# Altium PCB Pace Maker Panel RevA.PcbDoc (part 2 of 2)
Units mm, origin at the board's own origin, x right, y up, seen from the top; angles counter-clockwise.
Board outline 150.47 x 78.27 mm, 2 copper layers (Top Copper, Bottom Copper), stack 1.57 mm thick; 193 components, 124 nets, 564 pads, 154 vias.
Unrouted connection lines stored in the file: 2.
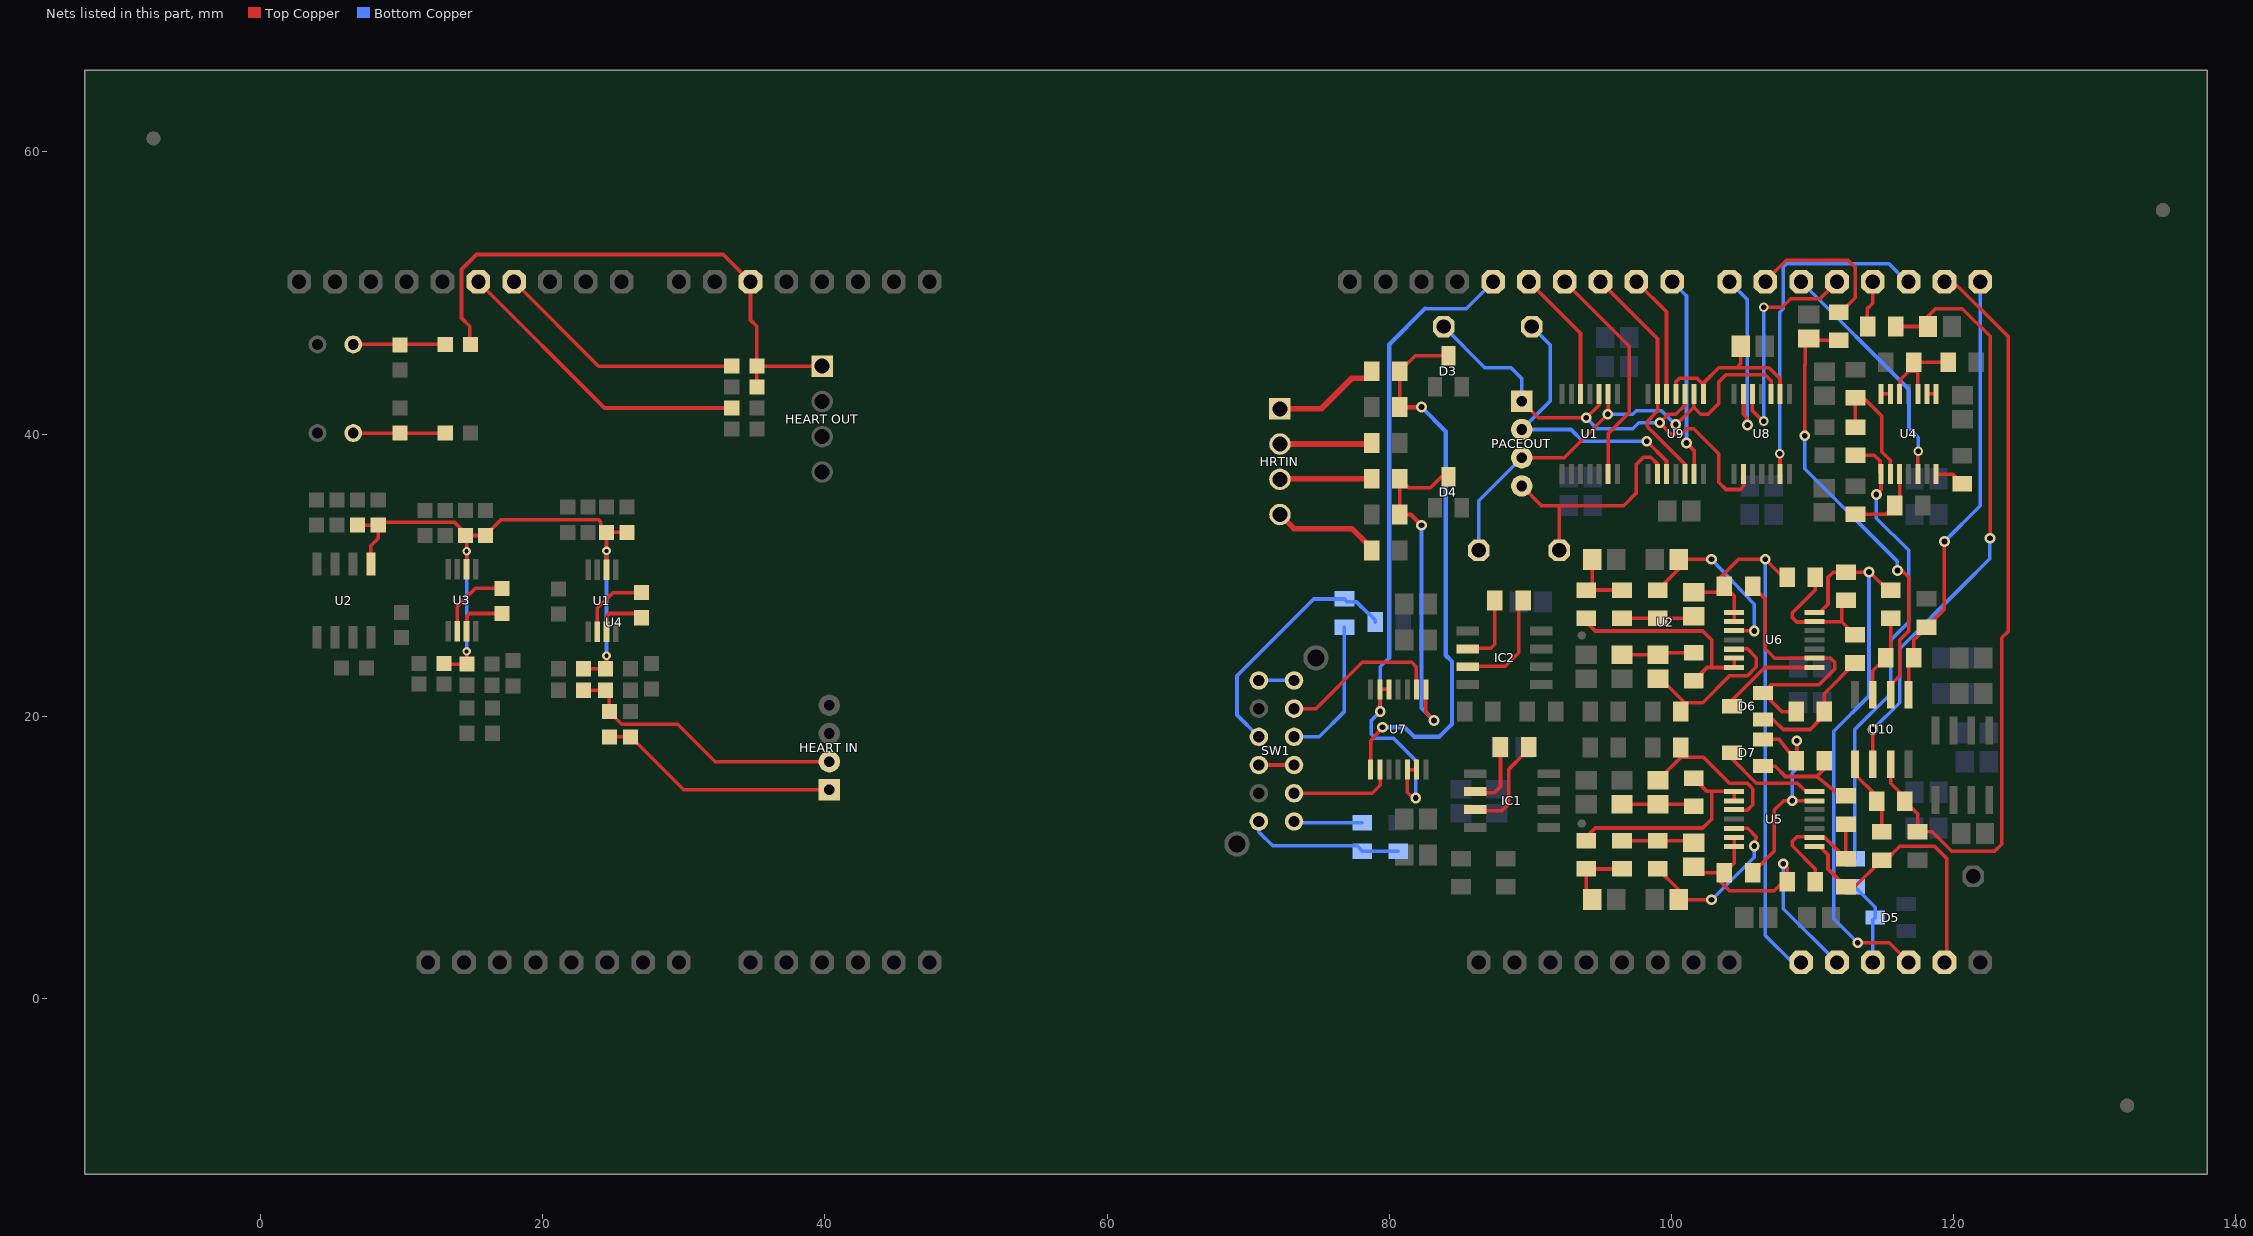
[diagram p2: the nets of this part, all layers, seen from the top]

## Via types
v1: diameter 0.762/0.762 (per signal layer), hole 0.406, Top Copper to Bottom Copper, 126 vias
v2: diameter 0.61, hole 0.305, Top Copper to Bottom Copper, 10 vias
v3: diameter 0.635, hole 0.381, Top Copper to Bottom Copper, 9 vias
v4: diameter 0.686, hole 0.33, Top Copper to Bottom Copper, 5 vias
v5: diameter 0.686, hole 0.381, Top Copper to Bottom Copper, 4 vias

## Nets (pads, with @x,y where several pads share a name; then routed paths per layer and width w, separated by ;. In a path a pad name is that pad's centre, name@x,y a point inside that pad or via, vN(x,y) a via of type N, cw(c..) or ccw(c..) an arc to the next point about the centre after c; other vN are vias at no path point) (continued)
NetC22_1: C22.1 U8.2 U9.8 U9.11 | length 13.4
  Top Copper w0.254: U9.11@100.33,42.85 100.33,43.688 100.584,43.942 101.854,43.942 102.286,43.51 U9.8@102.286,42.85 102.362,42.926 102.362,43.688 103.378,44.704 104.648,44.704 ; C22.1@104.941,46.228 104.941,44.997 104.648,44.704 ; U8.2@107.721,42.85 107.721,43.917 106.934,44.704 104.648,44.704
NetC23_2: C23.2 C25.1 R27.1 | length 5.1
  Top Copper w0.254: C23.2@96.52,13.755 C25.1@99.06,13.755 101.45,13.755 R27.1@101.6,13.605
NetC24_2: C24.2 C26.1 R28.1 | length 5.1
  Top Copper w0.254: C24.2@96.52,24.345 C26.1@99.06,24.345 99.21,24.495 R28.1@101.6,24.495
NetC25_2: C25.2 R25.2 U5.3 | length 11.7
  Top Copper w0.254: C25.2@99.06,15.455 R25.2@100.695,17.09 ; R25.2@100.695,17.78 R25.2@100.695,17.09 ; U5.3@104.47,13.36 104.496,13.335 105.41,13.335 105.791,13.716 105.791,14.859 105.41,15.24 104.14,15.24 102.29,17.09 R25.2@100.695,17.09
NetC26_2: C26.2 R26.2 U6.12 | length 12
  Top Copper w0.254: C26.2@99.06,22.645 99.275,22.645 R26.2@100.965,20.955 ; R26.2@100.695,20.32 100.965,20.59 R26.2@100.965,20.955 ; U6.12@104.47,24.74 104.496,24.765 105.41,24.765 106.045,24.13 106.045,23.495 105.41,22.86 104.14,22.86 102.235,20.955 R26.2@100.965,20.955
NetC29_1: C29.1 R29.2 R31.1 | length 4.9
  Top Copper w0.254: C29.1@94.4,6.985 93.98,7.405 R29.2@93.98,9.16 R31.1@96.52,9.16
NetC30_1: C30.1 R30.2 R32.1 | length 4.9
  Top Copper w0.254: C30.1@94.4,31.115 94.4,29.36 R30.2@93.98,28.94 R32.1@96.52,28.94
NetC31_1: C31.1 R33.2 U5.5 | length 12.7
  Top Copper w0.254: R33.2@99.06,9.16 100.545,7.675 C31.1@100.545,6.985 v1(102.87,6.985) ; U5.5@104.47,12.04 105.435,12.04 106.045,11.43 v1(105.886,10.795)
  Bottom Copper w0.254: v1(102.87,6.985) 105.886,10.001 v1(105.886,10.795)
NetC32_1: C32.1 R34.2 U6.10 | length 13.1
  Top Copper w0.254: R34.2@99.06,28.94 100.545,30.425 C32.1@100.545,31.115 v1(102.87,31.115) ; U6.10@104.47,26.06 106.02,26.06 v1(105.886,26.035)
  Bottom Copper w0.254: v1(102.87,31.115) 105.886,27.94 v1(105.886,26.035)
NetC34_1: C34.1 R31.2 R33.1 | length 5.1
  Top Copper w0.254: R31.2@96.52,11.16 R33.1@99.06,11.16 101.45,11.16 C34.1@101.6,11.01
NetC34_2: C34.2 R36.1 R40.1 U2.A1 U5.6 U5.7 | length 21.5
  Top Copper w0.254: C34.2@101.6,9.31 102.02,8.89 R36.1@103.775,8.89 ; U5.6@104.47,11.405 U5.7@104.47,10.744 104.47,9.585 R36.1@103.775,8.89 ; v1(107.95,9.525) 108.22,9.255 R40.1@108.22,8.255 108.22,8.525 107.315,7.62 104.14,7.62 103.505,8.255 103.505,8.62 R36.1@103.775,8.89
  Bottom Copper w0.254: v1(107.95,9.525) 107.95,6.35 U2.A1@111.76,2.54
NetC35_1: C35.1 R32.2 R34.1 | length 5.1
  Top Copper w0.254: R32.2@96.52,26.94 R34.1@99.06,26.94 101.45,26.94 C35.1@101.6,27.09
NetC35_2: C35.2 R35.1 R39.1 U2.A0 U6.8 U6.9 | length 41.7
  Top Copper w0.254: C35.2@101.6,28.79 103.355,28.79 R35.1@103.775,29.21 ; U6.9@104.47,26.695 U6.8@104.47,27.356 104.47,28.515 R35.1@103.775,29.21 ; R39.1@108.22,29.845 107.95,29.845 v1(106.68,31.115) 104.775,31.115 103.505,29.845 103.505,29.48 R35.1@103.775,29.21
  Bottom Copper w0.254: v1(106.68,31.115) 106.68,4.445 108.585,2.54 U2.A0@109.22,2.54
NetC37_1: C37.1 R41.1 U10.6 | length 42.2
  Top Copper w0.254: U10.6@114.3,16.586 v1(114.3,19.05) ; R41.1@115.935,47.625 C37.1@118.213,47.625 118.213,48.363 118.745,48.895 120.65,48.895 122.618,46.926 122.618,32.619 v1(122.604,32.604)
  Bottom Copper w0.254: v1(114.3,19.05) 116.205,20.955 116.205,24.765 120.666,29.226 122.604,31.164 v1(122.604,32.604)
NetC38_1: C38.1 R42.1 U10.2 | length 31.3
  Top Copper w0.254: v1(109.474,39.878) 109.474,44.895 109.498,44.919 109.498,46.52 C38.1@109.753,46.775 109.891,46.638 R42.1@111.887,46.638 ; U10.2@115.57,21.514 115.57,22.225 116.205,22.86 116.205,25.4 116.84,26.035 116.84,29.845 116.364,30.321 v1(116.046,30.321)
  Bottom Copper w0.254: v1(109.474,39.878) 109.474,37.529 116.046,30.956 v1(116.046,30.321)
NetD3_3: D3.3 R1.2@80.756,44.45 R5.2@80.756,41.91 U7.8 | length 40.5
  Top Copper w0.254: U7.8@78.689,16.205 78.689,18.205 v1(79.534,19.209) ; R5.2@80.756,41.91 R1.2@80.756,44.45 81.856,45.55 D3.3@84.201,45.55 D3.3@84.371,45.72
  Top Copper w0.305: R5.2@80.756,41.91 v1(82.296,41.91)
  Bottom Copper w0.305: v1(79.534,19.209) 81.097,19.209 81.764,18.542 83.566,18.542 84.455,19.431 84.455,23.876 84.023,24.308 84.023,40.183 v1(82.296,41.91)
NetD4_3: D4.3 R3.2@80.756,36.83 R6.2@80.756,34.29 U7.1 | length 25.1
  Top Copper w0.254: R6.2@80.756,34.29 R3.2@80.756,36.83 81.391,36.195 82.931,36.195 83.714,36.978 D4.3@84.201,36.978 ; U7.1@82.601,21.895 82.601,20.269 v1(83.185,19.685)
  Top Copper w0.305: R6.2@80.756,34.29 81.534,34.29 v1(82.296,33.528)
  Bottom Copper w0.305: v1(82.296,33.528) 82.296,20.574 v1(83.185,19.685)
NetD5_3: D5.3 R55.1 U2.A2 | length 6
  Bottom Copper w0.254: R55.1@113.03,7.89 114.47,6.45 D5.3@114.47,5.715 114.3,5.545 U2.A2@114.3,2.54
NetD6_1: D6.1 R37.2 R43.1 | length 9.7
  Top Copper w0.254: D6.1@106.51,19.751 107.249,19.751 107.95,19.05 109.855,19.05 110.49,19.685 110.49,19.955 R37.2@110.855,20.32 110.855,21.59 R43.1@113.03,23.765
NetD6_2: D6.2 R35.2 R37.1 U6.2 | length 19.3
  Top Copper w0.254: R35.2@105.775,29.21 106.68,28.305 106.68,24.765 107.34,24.105 U6.2@110.16,24.105 111.309,24.105 111.601,23.812 111.601,23.336 110.49,22.225 107.084,22.225 D6.2@106.51,21.651 107.841,20.32 R37.1@108.855,20.32
NetD6_3: D6.3 U6.1 | length 7.4
  Top Copper w0.254: D6.3@104.31,20.701 104.14,20.871 104.14,20.955 106.629,23.444 U6.1@110.16,23.444
NetD7_1: D7.1 R38.2 R44.1 | length 8.4
  Top Copper w0.254: D7.1@106.51,16.449 107.376,16.449 108.109,15.716 110.331,15.716 ; R38.2@110.855,16.828 111.125,16.875 111.125,16.51 110.331,15.716 ; R44.1@112.395,14.335 112.03,14.335 110.331,15.716
NetD7_2: D7.2 R36.2 R38.1 U5.13 | length 17.1
  Top Copper w0.254: R36.2@105.775,8.89 107.315,10.43 107.315,13.335 107.975,13.995 v1(108.585,13.995) U5.13@110.16,13.995 ; D7.2@106.51,18.349 107.651,18.349 R38.1@108.855,16.828 108.902,17.192 v1(108.902,18.256)
  Bottom Copper w0.254: v1(108.585,13.995) 108.585,15.967 108.902,16.285 v1(108.902,18.256)
NetD7_3: D7.3 U5.14 | length 7.2
  Top Copper w0.254: D7.3@104.31,17.399 104.31,16.975 106.045,15.24 108.966,15.24 109.499,14.707 110.109,14.707 U5.14@110.16,14.656
NetHRTIN_1: HRTIN.1 R1.1@78.756,44.45 | length 7.7
  Top Copper w0.406: HRTIN.1@72.263,41.79 75.191,41.79 77.354,43.953 78.409,43.953 78.756,44.3 R1.1@78.756,44.45
NetHRTIN_2: HRTIN.2 R2.1@78.756,39.37 | length 6.5
  Top Copper w0.406: HRTIN.2@72.263,39.29 78.676,39.29 R2.1@78.756,39.37
NetHRTIN_3: HRTIN.3 R3.1@78.756,36.83 | length 6.5
  Top Copper w0.406: HRTIN.3@72.263,36.79 72.303,36.83 R3.1@78.756,36.83
NetHRTIN_4: HRTIN.4 R4.1@78.756,31.75 | length 7.6
  Top Copper w0.406: HRTIN.4@72.263,34.29 73.26,33.293 77.362,33.293 78.756,31.9 R4.1@78.756,31.75
NetIC1_1: 
NetIC1_2: IC1.2 R19.1@87.9,17.8 | length 5
  Top Copper w0.254: IC1.2@85.9,14.57 87.47,14.57 87.9,15 R19.1@87.9,17.8
NetIC1_3: IC1.3 R19.2@89.9,17.8 | length 7.4
  Top Copper w0.254: IC1.3@85.9,13.3 88,13.3 88.5,13.8 88.5,16.145 cw(c88.754,16.145) 88.574,16.324 89.477,17.227 89.9,17.65 R19.2@89.9,17.8
NetIC1_8: 
NetIC2_1: 
NetIC2_2: IC2.2 R20.1@87.5,28.2 | length 4.9
  Top Copper w0.254: IC2.2@85.8,24.8 87.2,24.8 87.5,25.1 R20.1@87.5,28.2
NetIC2_3: IC2.3 R20.2@89.5,28.2 | length 7.4
  Top Copper w0.254: IC2.3@85.8,23.53 88.23,23.53 89.2,24.5 R20.2@89.2,28.1
NetIC2_8: 
NetJP2_1: JP2.1 PACEOUT.1 U1.3@94.894,42.85 U8.9 U9.10 | length 35
  Top Copper w0.254: PACEOUT.1@89.408,42.322 90.582,41.148 v1(93.98,41.148) 94.894,42.062 U1.3@94.894,42.85 ; U9.10@100.99,42.85 100.99,42.062 100.33,41.402 99.79,41.402 v1(99.187,40.799) 99.993,39.993 100.699,39.993 101.092,40.386 101.6,40.386 103.378,38.608 103.378,36.576 103.886,36.068 104.902,36.068 105.156,36.322 105.156,37.135 U8.9@105.131,37.16
  Bottom Copper w0.254: JP2.1@83.87,47.625 86.791,44.704 88.646,44.704 89.408,43.942 PACEOUT.1@89.408,42.322 ; v1(93.98,41.148) 94.742,40.386 97.282,40.386 97.695,40.799 v1(99.187,40.799)
NetJP3_1: JP3.1 PACEOUT.2 U9.3 | length 20.8
  Top Copper w0.254: v1(98.266,39.497) 99.67,38.094 U9.3@99.67,37.16
  Bottom Copper w0.254: JP3.1@90.12,47.625 91.44,46.305 91.44,42.354 PACEOUT.2@89.408,40.322 92.901,40.322 93.726,39.497 v1(98.266,39.497)
NetJP4_1: JP4.1 PACEOUT.3 U1.2@95.529,42.85 U8.3 U9.9 | length 33.6
  Top Copper w0.254: PACEOUT.3@89.408,38.322 92.424,38.322 v1(95.504,41.402) 95.529,41.427 U1.2@95.529,42.85 ; v1(100.33,40.679) 100.369,40.679 101.6,41.91 ; U9.9@101.625,42.85 101.6,42.824 101.6,41.91 ; U8.3@107.086,42.85 107.086,43.79 106.68,44.196 103.886,44.196 103.378,43.688 103.378,42.164 102.616,41.402 102.108,41.402 101.6,41.91
  Bottom Copper w0.254: JP4.1@86.36,31.75 86.36,35.274 PACEOUT.3@89.408,38.322 ; v1(95.504,41.402) 97.282,41.402 97.536,41.656 99.314,41.656 100.291,40.679 v1(100.33,40.679)
NetJP5_1: JP5.1 PACEOUT.4 U9.2 | length 16.9
  Top Copper w0.254: PACEOUT.4@89.408,36.322 90.805,34.925 92.075,34.925 ; JP5.1@92.075,31.75 92.075,34.925 ; U9.2@99.035,37.16 99.035,37.871 98.552,38.354 98.044,38.354 97.536,37.846 97.536,35.814 96.647,34.925 92.075,34.925
NetLED1_A: LED1.A LED3.A R13.2@13.074,46.355 | length 6.5
  Top Copper w0.254: LED3.A@6.553,46.355 10.211,46.355 R13.2@13.074,46.355
NetLED2_A: LED2.A LED4.A R14.2@13.074,40.068 | length 6.5
  Top Copper w0.254: LED4.A@6.553,40.068 LED2.A@9.855,40.068 R14.2@13.074,40.068
NetR4_1: R4.1@27,28.753 U1.2@23.861,25.99 | length 5.3
  Top Copper w0.254: U1.2@23.861,25.99 23.861,27.645 24.968,28.753 R4.1@27,28.753
NetR4_2: R4.2@27,26.975 U1.3@24.511,25.99 | length 3.9
  Top Copper w0.254: U1.3@24.511,25.99 24.511,27.071 24.717,27.277 26.547,27.277 26.594,27.229 26.695,27.229 R4.2@27.102,26.822
NetR7_1: R7.1@78.105,10.43 R8.2@80.645,10.43 SW1.1 | length 11.2
  Bottom Copper w0.254: SW1.1@70.765,12.53 70.765,11.785 71.755,10.795 77.74,10.795 R7.1@78.105,10.43 R8.2@80.645,10.43
NetR7_2: R7.2@78.105,12.43 SW1.7 | length 4.9
  Bottom Copper w0.254: SW1.7@73.265,12.53 73.365,12.43 R7.2@78.105,12.43
NetR9_1: R9.1@76.835,28.305 R10.2@79.01,26.67 SW1.4 | length 17.8
  Bottom Copper w0.254: SW1.4@70.765,18.53 69.215,20.08 69.215,22.86 74.66,28.305 R9.1@76.835,28.305 77.044,28.096 77.695,28.096 78.548,27.243 78.587,27.243 79.01,26.82 R10.2@79.01,26.67
NetR9_2: R9.2@76.835,26.305 SW1.10 | length 10.3
  Bottom Copper w0.254: SW1.10@73.265,18.53 75.045,18.53 76.835,20.32 R9.2@76.835,26.305
NetR10_1: R10.1@17.109,29.055 U3.2@13.934,26.006 | length 5.5
  Top Copper w0.254: U3.2@13.934,26.006 13.934,27.772 15.216,29.055 R10.1@17.109,29.055
NetR10_2: R10.2@17.109,27.277 U3.3@14.584,26.006 | length 3.7
  Top Copper w0.254: U3.3@14.584,26.006 14.605,26.027 14.605,27.071 14.811,27.277 R10.2@17.109,27.277
NetR12_2: R12.2@120.65,36.465 U4.7 | length 2.1
  Top Copper w0.254: U4.7@118.796,37.16 119.955,37.16 R12.2@120.65,36.465
NetR15_1: R15.1@33.39,44.813 U4.D11 | length 17.9
  Top Copper w0.254: U4.D11@17.958,50.8 23.945,44.813 R15.1@33.39,44.813
NetR16_1: R16.1@33.39,41.846 U4.D12 | length 21.7
  Top Copper w0.254: U4.D12@15.418,50.8 24.372,41.846 R16.1@33.39,41.846
NetR17_1: R17.1@113.081,34.306 R21.2 U4.3 | length 5.9
  Top Copper w0.254: R17.1@113.081,34.306 115.221,34.306 R21.2@115.84,34.925 ; R21.2@115.475,34.56 R21.2@115.84,34.925 ; U4.3@116.18,37.16 116.205,37.135 116.205,35.29 R21.2@115.84,34.925
NetR18_2: R18.2@113.068,42.561 R22.2 U4.2 | length 9
  Top Copper w0.254: R22.2@113.068,40.497 R18.2@113.068,42.561 113.395,42.815 114.935,41.275 114.935,38.735 115.57,38.1 115.545,38.075 U4.2@115.545,37.16
NetR22_1: R22.1 R55.2 U4.1 | length 32.8
  Top Copper w0.254: R22.1@113.068,38.497 114.411,38.497 114.808,38.1 114.808,37.236 U4.1@114.884,37.16 114.884,36.049 v1(114.554,35.719)
  Bottom Copper w0.254: R55.2@113.03,9.89 113.03,19.05 115.57,21.59 115.57,25.4 116.84,26.67 116.84,31.75 114.554,34.036 v1(114.554,35.719)
NetR27_2: R27.2 R29.1 U5.1 U5.2 | length 15.6
  Top Copper w0.254: R29.1@93.98,11.16 93.98,11.43 94.615,12.065 102.235,12.065 102.87,12.7 102.87,14.656 ; R27.2@101.6,15.605 102.549,14.656 102.87,14.656 ; U5.2@104.47,13.995 U5.1@104.47,14.656 102.87,14.656
NetR28_2: R28.2 R30.1 U6.13 U6.14 | length 15.6
  Top Copper w0.254: R30.1@93.98,26.94 93.98,26.67 94.615,26.035 102.235,26.035 102.87,25.4 102.87,23.444 ; R28.2@101.6,22.495 102.549,23.444 102.87,23.444 ; U6.13@104.47,24.105 U6.14@104.47,23.444 102.87,23.444
NetR39_2: R39.2 R43.2 R45.1 U6.6 | length 10.1
  Top Copper w0.254: R39.2@110.22,29.845 110.22,28.94 108.585,27.305 108.585,26.987 108.902,26.67 110.134,26.67 U6.6@110.16,26.695 112.1,26.695 ; R45.1@112.395,28.21 112.1,27.915 112.1,26.695 ; R43.2@113.03,25.765 112.1,26.695
NetR40_2: R40.2 R44.2 R46.1 U5.9 | length 10.6
  Top Copper w0.254: R40.2@110.22,8.255 110.22,9.16 108.585,10.795 108.585,11.112 108.902,11.43 110.134,11.43 U5.9@110.16,11.405 110.88,11.405 R46.1@112.395,9.89 R44.2@112.395,12.335
NetR41_2: R41.2 U2.D3 | length 3.9
  Top Copper w0.254: R41.2@113.935,47.625 113.894,47.666 113.894,48.87 114.3,49.276 U2.D3@114.3,50.8 U2.D3@113.935,50.435
NetR42_2: R42.2 U2.D6 | length 11
  Top Copper w0.254: U2.D6@106.68,50.8 106.68,50.851 108.153,52.324 112.547,52.324 113.055,51.816 113.055,49.656 112.46,49.061 R42.2@111.962,48.563
NetR45_2: R45.2 R48.2 U2.A3 U6.7 | length 40.5
  Top Copper w0.254: U6.7@110.16,27.356 110.541,27.356 111.125,27.94 111.125,29.845 111.49,30.21 R45.2@112.395,30.21 ; R45.2@112.442,30.162 R45.2@112.395,30.21 ; v1(113.23,3.92) 115.46,3.92 U2.A3@116.84,2.54 ; R48.2@115.57,28.94 115.364,28.94 114.094,30.21 v1(114.03,30.21) 113.53,30.21 R45.2@112.395,30.21
  Bottom Copper w0.254: v1(113.23,3.92) 111.53,5.62 111.53,18.92 114.03,21.42 v1(114.03,30.21)
NetR46_2: R46.2 R47.2 U2.A4 U5.8 | length 20.1
  Top Copper w0.254: U5.8@110.16,10.744 110.541,10.744 111.125,10.16 111.125,9.16 R46.2@112.395,7.89 113.03,7.89 R47.2@114.935,9.795 115.23,9.795 116.205,10.77 118.68,10.77 119.53,9.92 119.53,2.69 U2.A4@119.38,2.54
NetR47_1: R47.1 R49.2 U10.5 | length 5.6
  Top Copper w0.254: U10.5@113.03,16.586 113.03,15.875 114.57,14.335 R49.2@114.57,13.97 114.935,13.605 R47.1@114.935,11.795
NetR48_1: R48.1 R50.2 U10.3 | length 6.4
  Top Copper w0.254: U10.3@114.3,21.514 114.3,23.225 R50.2@115.205,24.13 ; R50.2@114.935,24.495 R50.2@115.205,24.13 ; R48.1@115.57,26.94 115.57,24.495 R50.2@115.205,24.13
NetR49_1: R49.1 R51.1 U2.D1 U10.7 | length 54.6
  Top Copper w0.254: U10.7@115.57,16.586 115.57,15.24 116.57,14.24 R49.1@116.57,13.97 117.475,13.065 R51.1@117.475,11.795 118.507,11.795 119.888,10.414 122.936,10.414 123.444,10.922 123.444,25.544 123.9,26 123.9,46.915 120.015,50.8 U2.D1@119.38,50.8
NetR50_1: R50.1 R52.1 U2.D0 U10.1 | length 31.4
  Top Copper w0.254: U10.1@116.84,21.514 116.84,23.86 R50.1@117.205,24.13 117.205,25.4 R52.1@118.11,26.305 119.38,27.575 v1(119.38,32.385)
  Bottom Copper w0.254: v1(119.38,32.385) 121.92,34.925 U2.D0@121.92,50.8
NetR53_1: R53.1 R54.2 U4.10 U4.12 | length 7.3
  Top Copper w0.254: U4.12@116.18,42.85 116.205,42.875 116.205,43.815 116.84,44.45 R54.2@117.5,44.45 ; U4.10@117.5,42.85 R54.2@117.5,44.45 ; R53.1@119.65,45.085 R54.2@117.205,45.085 117.5,44.79 R54.2@117.5,44.45
NetSW1_3: SW1.3 SW1.9 | length 2.5
  Top Copper w0.254: SW1.3@70.765,16.53 SW1.9@73.265,16.53
NetSW1_6: SW1.6 SW1.12 | length 2.5
  Bottom Copper w0.254: SW1.6@70.765,22.53 SW1.12@73.265,22.53
NetSW1_8: SW1.8 U7.9 | length 7.5
  Top Copper w0.254: SW1.8@73.265,14.53 78.815,14.53 79.375,15.09 79.375,15.575 U7.9@79.35,16.205
NetSW1_11: SW1.11 U7.2 | length 11.7
  Top Copper w0.254: SW1.11@73.265,20.53 74.823,20.53 78.105,23.812 81.597,23.812 81.915,23.495 81.915,22.525 U7.2@81.94,21.895
NetU1_5: U1.5@93.574,42.85 U2.D12 | length 9.5
  Top Copper w0.254: U2.D12@89.916,50.8 93.574,47.142 U1.5@93.574,42.85
NetU1_13: U1.13 U2.D11 | length 16.2
  Top Copper w0.254: U2.D11@92.456,50.8 97.028,46.228 97.028,41.528 95.529,40.029 U1.13@95.529,37.16
NetU2_D2: U2.D2 U8.13 | length 24.3
  Top Copper w0.254: v5(107.696,38.608) 107.721,38.583 U8.13@107.721,37.16
  Bottom Copper w0.254: v5(107.696,38.608) 107.696,48.641 107.95,48.895 107.95,51.816 108.204,52.07 115.443,52.07 116.713,50.8 U2.D2@116.84,50.8
NetU2_D4: U2.D4 U8.5 | length 16.3
  Top Copper w0.254: U8.5@105.766,42.85 105.766,41.656 106.502,40.919 v5(106.578,40.919) ; v5(106.578,48.997) 107.874,48.997 108.475,49.598 110.558,49.598 U2.D4@111.76,50.8
  Bottom Copper w0.254: v5(106.578,40.919) v5(106.578,48.997)
NetU2_D5: U2.D5 U4.5 | length 17.1
  Top Copper w0.254: U4.5@117.5,37.16 117.5,38.76 v5(117.526,38.786)
  Bottom Copper w0.254: U2.D5@109.22,50.8 116.865,43.155 116.865,40.411 117.526,39.751 v5(117.526,38.786)
NetU2_D7: U2.D7 U8.6 | length 13
  Top Copper w0.254: U8.6@105.131,42.85 105.131,41.4 105.365,41.165 105.365,40.685 v1(105.41,40.64)
  Bottom Copper w0.254: U2.D7@104.14,50.8 105.41,49.53 v1(105.41,40.64)
NetU2_D8: U2.D8 U9.6 | length 15.5
  Top Copper w0.254: v1(101.092,39.37) 101.625,38.837 U9.6@101.625,37.16
  Bottom Copper w0.254: v1(101.092,39.37) 101.092,49.784 100.965,49.911 ; 100.965,49.911 U2.D8@100.076,50.8 100.965,49.911
NetU2_D9: U2.D9 U9.12 | length 8.8
  Top Copper w0.254: U2.D9@97.536,50.8 99.67,48.666 U9.12@99.67,42.85
NetU2_D10: U2.D10 U9.5 U9.13 | length 16.8
  Top Copper w0.254: U2.D10@94.996,50.8 99.035,46.761 U9.13@99.035,42.85 99.06,42.824 99.06,41.656 98.298,40.894 98.298,40.538 100.99,37.846 U9.5@100.99,37.16
NetU2_D13: U2.D13 U7.5 U7.6 U7.12 U7.13 | length 49.2
  Top Copper w0.254: v1(79.375,20.32) 79.35,20.345 U7.6@79.35,21.895 U7.5@79.985,21.895 ; v1(81.9,14.2) 81.685,14.2 81.28,14.605 81.28,15.575 U7.12@81.305,16.205 U7.13@81.94,16.205
  Bottom Copper w0.254: 80.01,24.13 79.375,23.495 v1(79.375,20.32) 78.74,19.685 78.74,18.732 79.057,18.415 80.328,18.415 81.915,16.828 81.9,16.812 v1(81.9,14.2) ; 82.55,48.895 85.471,48.895 U2.D13@87.376,50.8
  Bottom Copper w0.305: 80.01,24.13 80.01,46.355 82.55,48.895
NetU4_8: U4.8 U4.9 | length 0.7
  Top Copper w0.254: U4.9@118.135,42.85 U4.8@118.796,42.85
NetU4_13: U4.13 U4.14 | length 0.7
  Top Copper w0.254: U4.14@114.884,42.85 U4.13@115.545,42.85
VENT+: "HEART IN.1" R1.2@26.226,18.532 R3.2@24.717,18.532 | length 17.2
  Top Copper w0.254: R3.2@24.717,18.532 R1.2@26.226,18.532 29.988,14.769 40.31,14.769
VENT-: "HEART IN.2" C4.1@22.891,21.834 R3.1@24.717,20.31 R5.1@24.447,21.834 | length 20.3
  Top Copper w0.254: C4.1@22.891,21.834 R5.1@24.447,21.834 24.717,21.565 R3.1@24.717,20.31 25.596,19.431 29.566,19.431 32.228,16.769 40.31,16.769
VENT_NAT: "HEART OUT.1" R13.1@14.852,46.355 R15.2@35.168,44.813 R17.2@35.168,43.329 U4.D5 | length 39.6
  Top Copper w0.254: R13.1@14.852,46.355 14.811,46.396 14.811,47.636 14.224,48.223 14.224,51.664 15.291,52.73 32.791,52.73 U4.D5@34.722,50.8 34.722,48.082 35.168,47.636 R15.2@35.168,44.813 ; R17.2@35.168,43.329 R15.2@35.168,44.813 ; 39.807,44.813 36.195,44.813 R15.2@35.168,44.813
VREF: C5.2@24.511,33.034 C6.2@25.961,33.034 C10.2@8.324,33.542 C11.2@6.862,33.542 C15.2@15.919,32.806 C16.2@14.496,32.806 R2.1@24.447,23.358 R6.2@22.891,23.358 R8.1@14.623,23.678 R12.2@12.979,23.714 U1.6@24.511,30.39 U2.1 U3.6@14.584,30.406 | length 48.7
  Top Copper w0.254: C11.2@6.862,33.542 C10.2@8.324,33.542 ; U2.1@7.798,30.785 7.798,32.069 8.324,32.596 C10.2@8.324,33.542 ; R12.2@12.979,23.714 13.015,23.678 R8.1@14.623,23.678 14.584,23.717 v2(14.584,24.587) ; C16.2@14.469,33.006 13.745,33.731 8.514,33.731 C10.2@8.324,33.542 ; U3.6@14.584,30.406 v2(14.584,31.699) 14.584,32.718 C16.2@14.496,32.806 C15.2@15.919,32.806 17.048,33.934 23.913,33.934 24.114,33.734 24.114,33.431 C5.2@24.511,33.034 ; R6.2@22.53,23.719 R6.2@22.891,23.358 R2.1@24.447,23.358 24.511,23.421 v2(24.511,24.282) ; U1.6@24.511,30.39 v2(24.511,31.712) C5.2@24.511,33.034 ; C6.2@25.961,33.034 C5.2@24.511,33.034
  Bottom Copper w0.254: v2(14.584,24.587) v2(14.584,31.699) ; v2(24.511,24.282) v2(24.511,31.712)
pads on no net: D5.2 Designator5.0 Designator6.0 Designator7.0 Designator8.0 Designator9.0 Designator10.0 U1.6@92.939,42.85 U2.4 U2.5 U2.6 U2.7 U2.A5 U2.AREF U2.IOREF U2.RESERVED U2.RESET U2.SCL U2.SDA U2.VIN U3.4@118.745,18.974 U3.5@118.745,14.046 U3.6@120.015,14.046 U3.7@121.285,14.046 U4.A2 U4.A3 U4.A4 U4.A5 U4.AREF U4.D0 U4.D1 U4.D2 U4.D4 U4.D6 U4.D7 U4.D8 U4.D9 U4.D10 U4.D13 U4.IOREF U4.RESERVED U4.RESET U4.SCL U4.SDA U4.VIN

## Polygon pours and split planes (outlines as drawn)
GND on Top Copper "Polygon_1_Net_GND" (solid, remove dead copper, pour order 5): 63.754,53.33 63.5,0 125.273,0 125.273,53.076
GND on Top Copper "gndtop" (solid, remove dead copper, pour order 3): 0,0 50.775,0 50.775,53.33 0,53.33
GND on Top Copper "GND_L01_P001" (solid, remove dead copper, pour order 1): -5.486,0.533
GND on Bottom Copper "Polygon_1_Net_GND" (solid, remove dead copper, pour order 6): 63.527,53.33 63.271,-0.295 125.044,-0.295 125.044,53.33
GND on Bottom Copper "gndtop" (solid, remove dead copper, pour order 4): 0,0 50.775,0 50.775,53.33 0,53.33

## Keep-outs
Keep-Out Layer:
  lines w0.051: -12.471,53.341 137.744,53.332 ; 0,-12.445 0,65.787 ; 50.765,-12.47 50.77,65.802 ; 63.5,-12.47 63.5,65.802 ; 125.517,-11.962 125.522,66.31 ; 137.744,-0.008 -12.471,0.001 ; -12.471,0 -12.471,-12.471 0,-12.471 50.775,-12.471 137.998,-12.471 137.998,0 137.998,53.33 137.998,65.801 50.775,65.801 0,65.801 -12.471,65.801 -12.471,53.33 -12.471,0

## Silkscreen, mask and mechanical layers (free items; w line width, h text height)
Top Overlay:
  text "V+" at 44.45,44.392 h1.5
  text "VENT" at 2.233,44.044 h1.5 r90
  text "V-" at 44.475,41.892 h1.5
  text "V+" at 84.887,41.351 h1.5
  text "V+" at 66.065,41.275 h2.5
  text "V-" at 84.887,39.954 h1.5
  text "A+" at 44.475,39.392 h1.5
  text "V-" at 66.142,38.735 h2.5
  text "ATR" at 2.184,38.557 h1.5 r90
  text "A+" at 84.887,38.506 h1.5
  text "A-" at 84.887,37.084 h1.5
  text "A-" at 44.45,36.902 h1.5
  text "A+" at 66.065,36.195 h2.5
  text "A-" at 66.116,33.833 h2.5
  text "ATR" at 88.5,29.5 h1.5
  text "X1" at 64.313,23.647 h1.5
  text "A-" at 43.815,20.574 h1.5
  text "A+" at 43.866,18.26 h1.5
  text "V-" at 43.942,16.053 h1.5
  text "VENT" at 84.9,13.8 h1.5 r90
  text "V+" at 43.967,13.716 h1.5
  text "X100" at 64.592,12.319 h1.5
  text "HEART / REV.A" at 1.111,9.982 h2.03
  text "PACEMAKER  REV 3.0" at 72.6,1.6 h1.5
Mechanical 1:
  lines w0: 63.5,0 63.5,53.076 125.273,53.33 125.273,0 63.5,0
V-Cut:
  lines w0.051: -12.471,0 137.744,-0.01 ; -12.471,53.34 137.744,53.33 ; 0,-12.446 0,65.786 ; 50.765,-12.471 50.77,65.801 ; 63.5,-12.471 63.5,65.801 ; 125.517,-11.963 125.522,66.309
Mechanical 13:
  circle w0.013: c61.5,3.5 r0.25
  circle w0.013: c3.5,3.5 r0.25
  circle w0.013: c23.61,2.23 r0.8
  circle w0.013: c23.61,4.77 r0.8
  circle w0.013: c8.37,4.77 r0.8
  circle w0.013: c10.91,4.77 r0.8
  circle w0.013: c13.45,4.77 r0.8
  circle w0.013: c15.99,4.77 r0.8
  circle w0.013: c18.53,4.77 r0.8
  circle w0.013: c21.07,4.77 r0.8
  circle w0.013: c26.15,4.77 r0.8
  circle w0.013: c28.69,4.77 r0.8
  circle w0.013: c31.23,4.77 r0.8
  circle w0.013: c33.77,4.77 r0.8
  circle w0.013: c36.31,4.77 r0.8
  circle w0.013: c38.85,4.77 r0.8
  circle w0.013: c41.39,4.77 r0.8
  circle w0.013: c43.93,4.77 r0.8
  circle w0.013: c46.47,4.77 r0.8
  circle w0.013: c49.01,4.77 r0.8
  circle w0.013: c51.55,4.77 r0.8
  circle w0.013: c54.09,4.77 r0.8
  circle w0.013: c8.37,2.23 r0.8
  circle w0.013: c10.91,2.23 r0.8
  circle w0.013: c13.45,2.23 r0.8
  circle w0.013: c15.99,2.23 r0.8
  circle w0.013: c18.53,2.23 r0.8
  circle w0.013: c21.07,2.23 r0.8
  circle w0.013: c26.15,2.23 r0.8
  circle w0.013: c28.69,2.23 r0.8
  circle w0.013: c31.23,2.23 r0.8
  circle w0.013: c33.77,2.23 r0.8
  circle w0.013: c36.31,2.23 r0.8
  circle w0.013: c38.85,2.23 r0.8
  circle w0.013: c41.39,2.23 r0.8
  circle w0.013: c43.93,2.23 r0.8
  circle w0.013: c46.47,2.23 r0.8
  circle w0.013: c49.01,2.23 r0.8
  circle w0.013: c51.55,2.23 r0.8
  circle w0.013: c54.09,2.23 r0.8
  circle w0.013: c56.63,2.23 r0.8
  circle w0.013: c61.5,3.5 r0.25
  circle w0.013: c3.5,3.5 r0.25
  circle w0.013: c61.5,52.5 r0.25
  circle w0.013: c3.5,52.5 r0.25
  circle w0.013: c23.61,2.23 r0.8
  circle w0.013: c23.61,4.77 r0.8
  circle w0.013: c8.37,4.77 r0.8
  circle w0.013: c10.91,4.77 r0.8
  circle w0.013: c13.45,4.77 r0.8
  circle w0.013: c15.99,4.77 r0.8
  circle w0.013: c18.53,4.77 r0.8
  circle w0.013: c21.07,4.77 r0.8
  circle w0.013: c26.15,4.77 r0.8
  circle w0.013: c28.69,4.77 r0.8
  circle w0.013: c31.23,4.77 r0.8
  circle w0.013: c33.77,4.77 r0.8
  circle w0.013: c36.31,4.77 r0.8
  circle w0.013: c38.85,4.77 r0.8
  circle w0.013: c41.39,4.77 r0.8
  circle w0.013: c43.93,4.77 r0.8
  circle w0.013: c46.47,4.77 r0.8
  circle w0.013: c49.01,4.77 r0.8
  circle w0.013: c51.55,4.77 r0.8
  circle w0.013: c54.09,4.77 r0.8
  circle w0.013: c8.37,2.23 r0.8
  circle w0.013: c10.91,2.23 r0.8
  circle w0.013: c13.45,2.23 r0.8
  circle w0.013: c15.99,2.23 r0.8
  circle w0.013: c18.53,2.23 r0.8
  circle w0.013: c21.07,2.23 r0.8
  circle w0.013: c26.15,2.23 r0.8
  circle w0.013: c28.69,2.23 r0.8
  circle w0.013: c31.23,2.23 r0.8
  circle w0.013: c33.77,2.23 r0.8
  circle w0.013: c36.31,2.23 r0.8
  circle w0.013: c38.85,2.23 r0.8
  circle w0.013: c41.39,2.23 r0.8
  circle w0.013: c43.93,2.23 r0.8
  circle w0.013: c46.47,2.23 r0.8
  circle w0.013: c49.01,2.23 r0.8
  circle w0.013: c51.55,2.23 r0.8
  circle w0.013: c54.09,2.23 r0.8
  circle w0.013: c56.63,2.23 r0.8
  lines w0.013: 0,3 ccw(c3,3) 3,0 ; 55.83,3.97 55.83,5.57 ; 55.83,3.97 57.43,3.97 ; 55.83,3.97 55.83,5.57 ; 55.83,3.97 57.43,3.97 ; 55.83,5.57 57.43,5.57 ; 55.83,5.57 57.43,5.57 ; 57.43,3.97 57.43,5.57 ; 57.43,3.97 57.43,5.57 ; 7.1,1 57.9,1 57.9,6 7.1,6 7.1,1
Drill Drawing:
  circle w0.152: c-11.561,97.389 r0.339
  circle w0.152: c-11.561,97.389 r0.564
  circle w0.152: c-11.561,87.229 r0.564
  lines w0.152: -12.125,76.505 -10.996,76.505 -10.996,77.634 -12.125,77.634 -12.125,76.505 ; -12.125,80.174 -10.996,80.174 -11.561,79.045 -12.125,80.174 ; -12.125,81.585 -11.561,81.867 -10.996,81.585 -11.278,82.149 -10.996,82.714 -11.561,82.431 -12.125,82.714 -11.843,82.149 -12.125,81.585 ; -12.125,84.125 -12.125,84.407 -11.843,84.689 -12.125,84.971 -12.125,85.254 -11.843,85.254 -11.561,84.971 -11.278,85.254 -10.996,85.254 -10.996,84.971 -11.278,84.689 -10.996,84.407 -10.996,84.125 -11.278,84.125 -11.561,84.407 -11.843,84.125 -12.125,84.125 ; -12.125,89.487 -11.843,89.487 -11.561,89.205 -11.278,89.487 -10.996,89.487 -11.278,89.769 -10.996,90.051 -11.278,90.051 -11.561,90.334 -11.843,90.051 -12.125,90.051 -11.843,89.769 -12.125,89.487 ; -12.125,91.745 -10.996,91.745 -10.996,92.874 -12.125,92.874 -12.125,91.745 ; -12.125,94.567 -11.843,94.567 -11.843,94.285 -11.278,94.285 -11.278,94.567 -10.996,94.567 -10.996,95.131 -11.278,95.131 -11.278,95.414 -11.843,95.414 -11.843,95.131 -12.125,95.131 -12.125,94.567 ; -12.125,99.929 -11.561,99.365 -10.996,99.929 -11.561,100.494 -12.125,99.929 ; -11.899,76.731 -11.222,76.731 -11.222,77.408 -11.899,77.408 -11.899,76.731
  lines w0.254: -13.132,75.743 111.768,75.743 ; -13.132,101.143 111.768,101.143 ; -3.858,73.203 -3.858,103.683 ; 6.265,73.203 6.265,103.683 ; 24.853,73.203 24.853,103.683 ; 33.365,73.203 33.365,103.683 ; 45.736,73.203 45.736,103.683 ; 73.126,73.203 73.126,103.683 ; 83.06,73.203 83.06,103.683 ; 95.635,73.203 95.635,103.683 ; -13.132,73.203 111.768,73.203 111.768,103.683 -13.132,103.683 -13.132,73.203
  text "Symbol" at -11.608,101.905 h1.22
  text "Count" at -3.096,101.905 h1.22
  text "Hole Size" at 7.027,101.905 h1.22
  text "Plated" at 25.615,101.905 h1.22
  text "Hole Type" at 34.127,101.905 h1.22
  text "Drill Layer Pair" at 46.498,101.905 h1.22
  text "Via/Pad" at 73.888,101.905 h1.22
  text "Pad Shape" at 83.822,101.905 h1.22
  text "Template" at 96.397,101.905 h1.22
  text "2" at -3.096,99.365 h1.02
  text "47.24mil (1.200mm)" at 7.027,99.365 h1.02
  text "PTH" at 25.615,99.365 h1.02
  text "Round" at 34.127,99.365 h1.02
  text "Top Copper - Bottom Copper" at 46.498,99.365 h1.02
  text "Pad" at 73.888,99.365 h1.02
  text "Rounded" at 83.822,99.365 h1.02
  text "c180h120z0" at 96.397,99.365 h1.02
  text "5" at -3.096,96.825 h1.02
  text "13.00mil (0.330mm)" at 7.027,96.825 h1.02
  text "PTH" at 25.615,96.825 h1.02
  text "Round" at 34.127,96.825 h1.02
  text "Top Copper - Bottom Copper" at 46.498,96.825 h1.02
  text "Via" at 73.888,96.825 h1.02
  text "Rounded" at 83.822,96.825 h1.02
  text "v69h33" at 96.397,96.825 h1.02
  text "5" at -3.096,94.285 h1.02
  text "40.00mil (1.016mm)" at 7.027,94.285 h1.02
  text "PTH" at 25.615,94.285 h1.02
  text "Round" at 34.127,94.285 h1.02
  text "Top Copper - Bottom Copper" at 46.498,94.285 h1.02
  text "Pad" at 73.888,94.285 h1.02
  text "Rounded" at 83.822,94.285 h1.02
  text "s152h102c50zc0" at 96.397,94.285 h1.02
  text "8" at -3.096,91.745 h1.02
  text "42.00mil (1.067mm)" at 7.027,91.745 h1.02
  text "PTH" at 25.615,91.745 h1.02
  text "Round" at 34.127,91.745 h1.02
  text "Top Copper - Bottom Copper" at 46.498,91.745 h1.02
  text "Pad" at 73.888,91.745 h1.02
  text "(Mixed)" at 83.822,91.745 h1.02
  text "(Mixed)" at 96.397,91.745 h1.02
  text "10" at -3.096,89.205 h1.02
  text "12.00mil (0.305mm)" at 7.027,89.205 h1.02
  text "PTH" at 25.615,89.205 h1.02
  text "Round" at 34.127,89.205 h1.02
  text "Top Copper - Bottom Copper" at 46.498,89.205 h1.02
  text "Via" at 73.888,89.205 h1.02
  text "Rounded" at 83.822,89.205 h1.02
  text "v61h30" at 96.397,89.205 h1.02
  text "12" at -3.096,86.665 h1.02
  text "30.00mil (0.762mm)" at 7.027,86.665 h1.02
  text "PTH" at 25.615,86.665 h1.02
  text "Round" at 34.127,86.665 h1.02
  text "Top Copper - Bottom Copper" at 46.498,86.665 h1.02
  text "Pad" at 73.888,86.665 h1.02
  text "Rounded" at 83.822,86.665 h1.02
  text "(Mixed)" at 96.397,86.665 h1.02
  text "12" at -3.096,84.125 h1.02
  text "31.50mil (0.800mm)" at 7.027,84.125 h1.02
  text "PTH" at 25.615,84.125 h1.02
  text "Round" at 34.127,84.125 h1.02
  text "Top Copper - Bottom Copper" at 46.498,84.125 h1.02
  text "Pad" at 73.888,84.125 h1.02
  text "Rounded" at 83.822,84.125 h1.02
  text "c131h80z0" at 96.397,84.125 h1.02
  text "13" at -3.096,81.585 h1.02
  text "15.00mil (0.381mm)" at 7.027,81.585 h1.02
  text "PTH" at 25.615,81.585 h1.02
  text "Round" at 34.127,81.585 h1.02
  text "Top Copper - Bottom Copper" at 46.498,81.585 h1.02
  text "Via" at 73.888,81.585 h1.02
  text "Rounded" at 83.822,81.585 h1.02
  text "(Mixed)" at 96.397,81.585 h1.02
  text "64" at -3.096,79.045 h1.02
  text "39.37mil (1.000mm)" at 7.027,79.045 h1.02
  text "PTH" at 25.615,79.045 h1.02
  text "Round" at 34.127,79.045 h1.02
  text "Top Copper - Bottom Copper" at 46.498,79.045 h1.02
  text "Pad" at 73.888,79.045 h1.02
  text "(Mixed)" at 83.822,79.045 h1.02
  text "(Mixed)" at 96.397,79.045 h1.02
  text "126" at -3.096,76.505 h1.02
  text "16.00mil (0.406mm)" at 7.027,76.505 h1.02
  text "PTH" at 25.615,76.505 h1.02
  text "Round" at 34.127,76.505 h1.02
  text "Top Copper - Bottom Copper" at 46.498,76.505 h1.02
  text "Via" at 73.888,76.505 h1.02
  text "Rounded" at 83.822,76.505 h1.02
  text "v76h41" at 96.397,76.505 h1.02
  text "257 Total" at -3.096,73.965 h1.02
Mechanical 34:
  circle w0.127: c70.612,46.672 r0.355
  circle w0.127: c70.612,47.625 r0.355
  circle w0.127: c70.612,49.53 r0.355
  circle w0.127: c70.612,48.578 r0.355
  circle w0.305: c71.755,45.402 r0.159
  circle w0.305: c69.596,45.402 r0.159
  circle w0.305: c71.882,50.8 r0.159
  circle w0.305: c69.342,50.8 r0.159
  lines w0.127: 69.362,50.82 69.662,50.82 70.562,49.92 ; 69.621,45.402 69.621,45.25 70.117,44.755 72.06,44.755 72.441,45.136 72.441,45.974 70.955,47.46 70.955,47.498 ; 70.726,46.355 71.615,45.466 71.628,45.466 ; 70.962,48.72 71.862,49.62 71.862,50.82 ; 68.389,44.133 68.389,52.07 75.374,52.07 75.374,49.371 75.374,44.133 68.389,44.133
  lines w0.305: 75.374,49.371 85.196,49.371 cw(c85.196,49.244) 85.286,49.334 ; 85.268,49.327 86.449,48.146 86.449,46.126 87.782,44.793 87.884,44.895 87.884,45.466 ; 87.122,44.958 87.63,45.466 87.63,45.212 ; 87.884,44.704 87.122,44.704 ; 87.122,44.704 87.63,45.212 ; 87.122,44.704 86.614,44.704 87.884,45.974 87.884,45.466 ; 87.63,45.212 87.884,45.466 ; 65.024,27.432 65.024,30.48 79.502,30.48 79.502,27.432 65.024,27.432
  text "V+" at 69.183,49.371 h0.79
  text "V-" at 69.183,48.419 h0.79
  text "A+" at 69.183,47.466 h0.79
  text "A-" at 69.183,46.514 h0.79
  text "PACING PINOUT" at 74.898,44.926 h0.94 r90
  text "R_HEART" at 75.813,44.926 h0.94 r90
  text "U8" at 108.718,44.437 h0.94 r270
  text "U1" at 96.774,44.355 h0.94 r270
  text "V+" at 64.389,41.275 h1.97
  text "V-" at 64.389,38.735 h1.97
  text "U9" at 97.409,36.703 h0.94 r90
  text "A+" at 64.389,36.195 h1.97
  text "U4" at 114.459,36.195 h0.94 r90
  text "A-" at 64.389,33.655 h1.97
  text "3.3V ONLY" at 66.193,28.179 h1.4
  text "IC2" at 85.725,26.987 h0.94
  text "x1" at 66.167,25.781 h1.08 r270
  text "ATR" at 85.09,22.86 h1.57 r90
  text "U6" at 111.125,22.86 h0.94 r180
  text "U10" at 117.792,21.431 h0.94 r270
  text "U7" at 83.502,21.273 h0.94
  text "Attenuation" at 66.294,20.828 h0.65 r270
  text "U3" at 123.349,19.367 h0.94 r270
  text "IC1" at 85.566,16.51 h0.94
  text "U5" at 103.822,15.24 h0.94
  text "VENT" at 85.09,12.065 h1.57 r90
  text "x100" at 66.421,10.795 h1.08 r270
  text "GND" at 120.015,5.715 h1.97
  text "pacemaker_v2_rev2" at 68.961,1.524 h0.86

## Text inside footprints (layer, text, board x,y; h text height)
A_IA_TP: Top 3D Body ">TP_SIGNAL_NAME" at 93.662,23.812 h1.55
U2: Top Overlay "Gnd" at 100.72,0.508 h1.27; Top Overlay "IOr" at 88.22,0.508 h1.27; Top Overlay "SDA" at 78.52,52.07 h1.27; Top Overlay "SCL" at 76.12,48.8 h1.27; Top Overlay "Digital I/O" at 98.171,52.045 h1.27; Top Overlay "Digital I/O" at 91.32,52.07 h1.27; Top Overlay "0" at 121.706,51.943 h1.27; Top Overlay "1" at 119.151,51.994 h1.27; Top Overlay "2" at 116.626,51.943 h1.27; Top Overlay "3" at 114.086,51.943 h1.27; Top Overlay "4" at 111.546,51.943 h1.27; Top Overlay "5" at 109.006,51.943 h1.27; Top Overlay "6" at 106.466,51.943 h1.27; Top Overlay "7" at 103.926,51.943 h1.27; Top Overlay "8" at 99.72,48.768 h1.27; Top Overlay "9" at 97.22,48.768 h1.27; Top Overlay "10" at 94.439,48.768 h1.27; Top Overlay "11" at 91.899,48.768 h1.27; Top Overlay "12" at 89.359,48.768 h1.27; Top Overlay "13" at 86.819,48.768 h1.27; Top Overlay "Gnd" at 83.82,52.07 h1.27; Top Overlay "ARef" at 81.026,48.768 h1.27; Top Overlay "5" at 121.539,3.81 h1.27; Top Overlay "4" at 118.999,3.81 h1.27; Top Overlay "3" at 116.459,3.81 h1.27; Top Overlay "2" at 113.919,3.81 h1.27; Top Overlay "1" at 111.379,3.81 h1.27; Top Overlay "0" at 108.839,3.81 h1.27; Top Overlay "Analog In" at 113.42,0.508 h1.27; Top Overlay "Vin" at 103.405,0.508 h1.27; Top Overlay "Gnd" at 98.02,0.508 h1.27; Top Overlay "5V" at 96.02,0.508 h1.27; Top Overlay "3V" at 93.52,0.508 h1.27; Top Overlay "RST" at 90.42,0.508 h1.27
U4: Top Overlay "Gnd" at 26.222,0.508 h1.27; Top Overlay "IOr" at 13.722,0.508 h1.27; Top Overlay "SDA" at 4.022,52.07 h1.27; Top Overlay "SCL" at 1.622,48.8 h1.27; Top Overlay "Digital I/O" at 36.722,52.07 h1.27; Top Overlay "Digital I/O" at 16.822,52.07 h1.27; Top Overlay "0" at 47.157,48.768 h1.27; Top Overlay "1" at 44.617,48.768 h1.27; Top Overlay "2" at 42.077,48.768 h1.27; Top Overlay "3" at 39.537,48.768 h1.27; Top Overlay "4" at 36.997,48.768 h1.27; Top Overlay "5" at 34.457,48.768 h1.27; Top Overlay "6" at 31.917,48.768 h1.27; Top Overlay "7" at 29.377,48.768 h1.27; Top Overlay "8" at 25.222,48.768 h1.27; Top Overlay "9" at 22.722,48.768 h1.27; Top Overlay "10" at 19.941,48.768 h1.27; Top Overlay "11" at 17.401,48.768 h1.27; Top Overlay "12" at 14.861,48.768 h1.27; Top Overlay "13" at 12.321,48.768 h1.27; Top Overlay "Gnd" at 9.322,52.07 h1.27; Top Overlay "ARef" at 6.528,48.768 h1.27; Top Overlay "5" at 47.041,3.81 h1.27; Top Overlay "4" at 44.501,3.81 h1.27; Top Overlay "3" at 41.961,3.81 h1.27; Top Overlay "2" at 39.421,3.81 h1.27; Top Overlay "1" at 36.881,3.81 h1.27; Top Overlay "0" at 34.341,3.81 h1.27; Top Overlay "Analog In" at 38.922,0.508 h1.27; Top Overlay "Vin" at 28.907,0.508 h1.27; Top Overlay "Gnd" at 23.522,0.508 h1.27; Top Overlay "5V" at 21.522,0.508 h1.27; Top Overlay "3V" at 19.022,0.508 h1.27; Top Overlay "RST" at 15.922,0.508 h1.27
V_IA_TP: Top 3D Body ">TP_SIGNAL_NAME" at 93.662,10.477 h1.55